# KiCad board raw.kicad_pcb (continued)
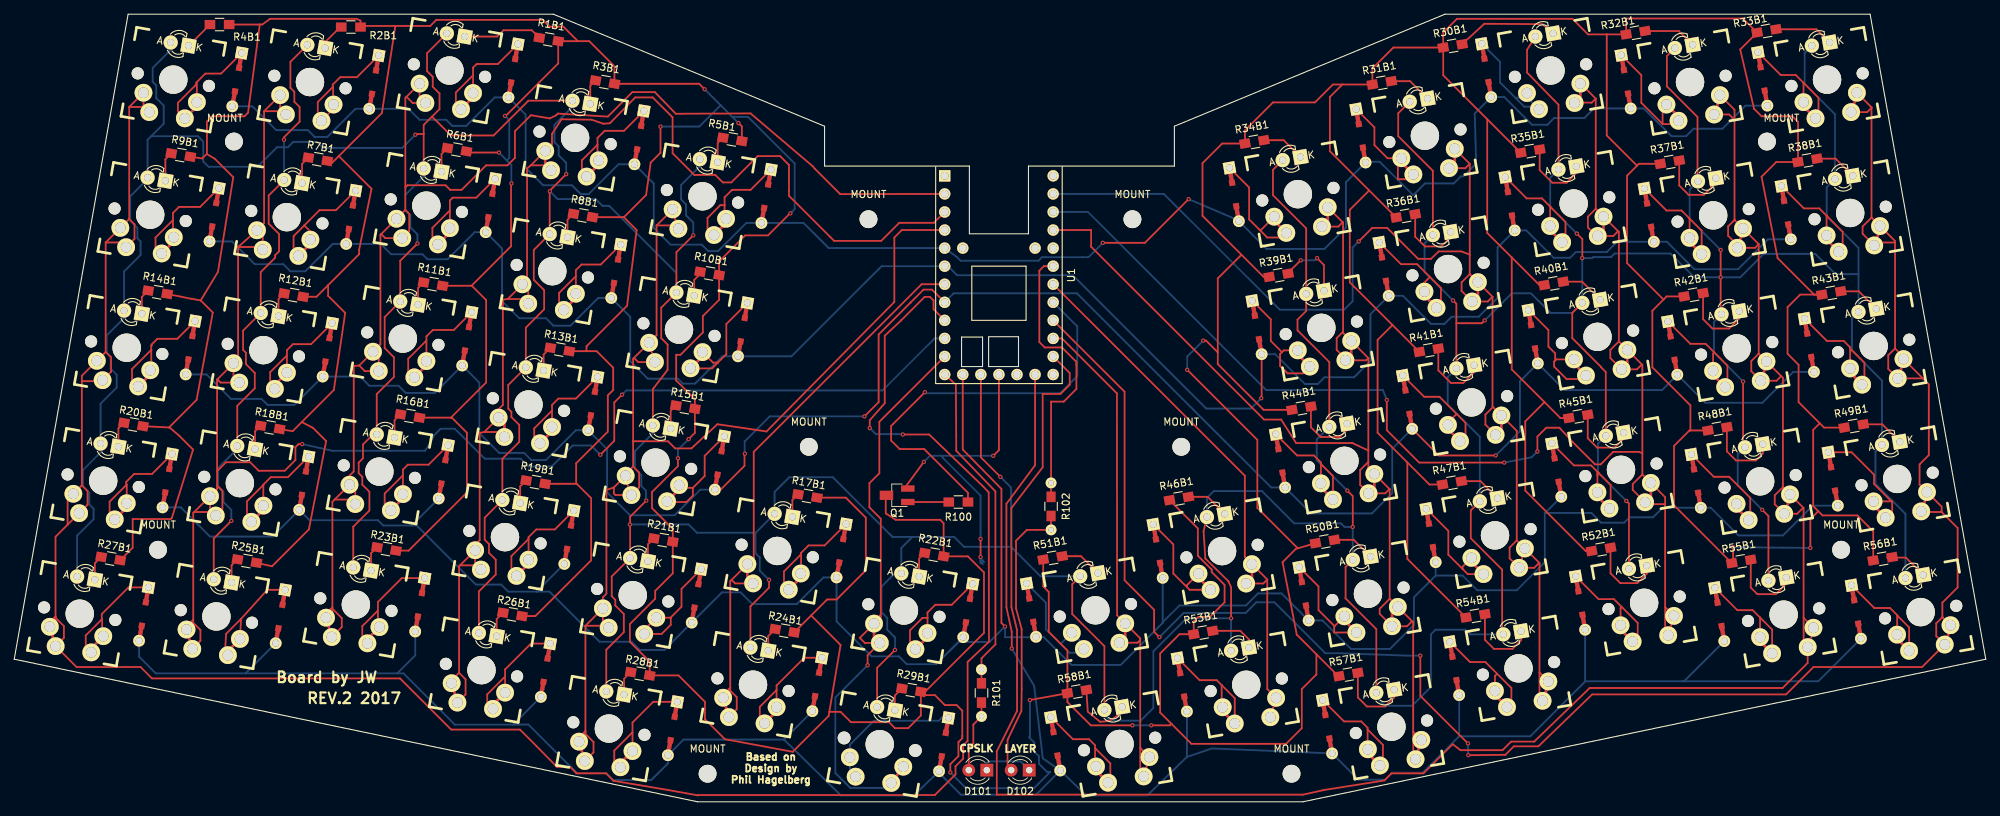
[diagram p0: board, top side]
## Routing (per net, layer and track width the routed paths; a pad name or vN(x,y) marks a point on that pad's centre or on a via; arc(x,y) is an arc through that point) (continued)
Net-(D11-Pad2): length 21.2
  Top w0.254: D11.2 61.76,66.35 58.82,66.35 57.91,65.44 57.91,64.86 ; 57.91,64.86 55.35,62.3 55.35,60.56 SW_11.SW2 55.81,59.69 ; 57.91,64.86 SW_11.SW2
  Top w0.381: SW_11.SW2 57.91,61.38 SW_11.SW2
Net-(D12-Pad2): length 22.4
  Top w0.254: D12.2 41.71,64.35 39.15,64.35 38.31,63.51 38.31,62.76 ; 36.62,58.66 SW_12.SW2 ; 36.62,58.66 SW_12.SW2 ; 36.62,58.66 SW_12.SW2 35.95,58.74 35.95,60.4 38.31,62.76 ; SW_12.SW2 38.31,62.76
Net-(D13-Pad2): length 20.4
  Top w0.254: D13.2 78.91,56.7 76.45,56.7 75.56,55.81 75.56,55.01 ; 75.56,55.01 73.05,52.5 73.05,51.24 SW_13.SW2 73.58,50.42 ; 75.56,55.01 SW_13.SW2
  Top w0.381: SW_13.SW2 75.56,52.11 SW_13.SW2
Net-(D14-Pad2): length 22
  Top w0.254: 19.25,63.6 19.25,60.83 SW_14.SW2 19.9,59.9 ; 19.25,63.6 19.25,63.55 16.55,60.85 16.55,59.28 SW_14.SW2 ; 19.25,63.6 19.25,64.15 19.3,64.15 19.3,64.3 20.1,65.1 22.91,65.1 D14.2
  Top w0.381: SW_14.SW2 19.11,60.1 SW_14.SW2
Net-(D15-Pad2): length 20.4
  Top w0.254: D15.2 97.01,48.65 97.01,45.81 95.35,44.15 ; 90.9,43 91.65,42.25 SW_15.SW2 91.82,42.15 94.45,42.15 95.35,43.05 95.35,44.15 ; 95.35,44.15 93.79,44.15 SW_15.SW2
  Top w0.381: SW_15.SW2 93.41,43.94 SW_15.SW2
Net-(D16-Pad1): length 357.9
  Top w0.254: v1(139.2,24.65) 138.7,25.15 138.7,44 133.27,49.53 133.27,60.53
  Bottom w0.254: 55.84,38.85 51.85,38.85 51.1,39.6 41.49,39.6 D18.1 36.29,37.3 27.5,37.3 23.4,41.4 D20.1 ; 55.84,38.85 D16.1 ; 55.84,38.85 56.55,38.85 64.85,30.55 68.4,30.55 69.4,29.55 73.39,29.55 73.4,29.55 ; 73.4,29.55 D19.1 ; 73.4,29.55 75.2,29.55 82.25,22.5 86.75,22.5 87.9,21.35 91.34,21.35 D21.1 99.44,29.45 102.05,29.45 103.7,27.8 109.95,27.8 113.7,31.55 D17.1 115.54,25.36 120.45,20.45 124.3,20.45 125.4,19.35 129.55,19.35 131.35,21.16 ; 161.36,25.25 161.36,25.16 155.45,19.25 148.55,19.25 144.6,23.2 D51.1 143.51,23.14 139.2,23.14 v1(139.2,24.65) 137.02,22.47 132.67,22.47 131.35,21.16 ; 161.36,25.25 D46.1 ; 161.36,25.25 163.71,27.6 173.05,27.6 174.75,29.3 178.06,29.3 D50.1 183.8,25.5 187.8,21.5 193.3,21.5 196.65,24.85 196.65,28.75 199.71,31.81 ; 199.71,31.81 D47.1 ; 199.71,31.81 203.49,31.81 205.55,29.75 211.1,29.75 215.05,33.7 215.05,40.59 215.08,40.62 ; 215.08,40.62 D45.1 ; 215.08,40.62 221.58,40.62 222.95,39.25 226.2,39.25 226.95,40 230.25,40 231.6,41.35 D48.1 238.35,41.35 242.25,37.45 248.5,37.45 252.7,41.65 D49.1 ; 131.35,21.16 D22.1
Net-(D16-Pad2): length 21.1
  Top w0.254: D16.2 58.21,47.4 55.3,47.4 54.61,46.71 54.61,45.91 ; 54.61,45.91 52.05,43.35 52.05,41.86 SW_16.SW2 52.41,40.99 ; 54.61,45.91 SW_16.SW2
  Top w0.381: SW_16.SW2 54.61,42.68 SW_16.SW2
Net-(D17-Pad2): length 20.1
  Top w0.254: 110.55,34.8 110.55,32.15 SW_17.SW2 ; 110.55,34.8 108.15,32.4 108.15,30.5 SW_17.SW2 ; 110.55,34.8 110.55,35 111.6,36.05 113.86,36.05 D17.2
  Top w0.381: SW_17.SW2 110.51,31.52 SW_17.SW2
Net-(D18-Pad2): length 20.3
  Top w0.254: 35,44.55 35,41.66 SW_18.SW2 ; 35,44.55 32.7,42.25 32.7,39.99 SW_18.SW2 ; 35,44.55 35,44.6 36.05,45.65 38.46,45.65 D18.2
  Top w0.381: SW_18.SW2 35.01,41.06 SW_18.SW2
Net-(D19-Pad2): length 20.8
  Top w0.254: D19.2 75.96,38.3 73.35,38.3 72.26,37.21 72.26,36.96 ; 72.26,36.96 69.85,34.55 69.85,32.49 SW_19.SW2 70.33,31.77 ; 72.26,36.96 SW_19.SW2
  Top w0.381: SW_19.SW2 72.26,33.46 SW_19.SW2
Net-(D20-Pad2): length 21.3
  Top w0.254: 16.49,41.31 SW_20.SW2 15.81,44.61 15.73,44.52 ; 15.73,44.52 13.4,42.2 13.4,40.43 SW_20.SW2 ; 15.73,44.52 15.73,44.97 16.85,46.1 19.36,46.1 D20.2
  Top w0.381: SW_20.SW2 15.81,41.4 SW_20.SW2
Net-(D21-Pad2): length 19.6
  Top w0.254: 92.2,25.88 92.22,25.88 92.25,25.85 92.25,24.9 90.95,23.6 SW_21.SW2 ; 92.2,25.88 SW_21.SW2 88.52,24.19 SW_21.SW2 ; 92.2,25.88 93.75,27.43 93.75,29.94 D21.2 ; SW_21.SW2 88.52,23.78
  Top w0.381: 90.21,25.29 SW_21.SW2
Net-(D22-Pad2): length 20.1
  Top w0.254: D22.2 131.71,27.7 129.4,27.7 128.31,26.61 128.31,25.86 ; 128.31,25.86 127.61,25.86 125.85,24.1 125.85,22.22 SW_22.SW2 126.55,21.45 ; 128.31,25.86 SW_22.SW2
  Top w0.381: SW_22.SW2 128.31,23.14 SW_22.SW2
Net-(D23-Pad1): length 386.6
  Top w0.254: U1.17 143.43,47.33 139.4,41.9 139.4,27.35 140.15,23.9 v1(140.15,21.55)
  Bottom w0.254: 32.5,18.06 D25.1 ; 32.5,18.06 53.81,18.06 ; 32.5,18.06 19.89,18.06 17.54,20.41 D27.1 ; 53.81,18.06 56.34,20.59 D23.1 ; 53.81,18.06 54.69,18.06 61.9,10.85 70.09,10.85 70.1,10.85 ; 70.1,10.85 D26.1 ; 70.1,10.85 72.25,10.85 79.05,4.05 83.15,4.05 84.15,3.05 89.5,3.05 91.84,5.39 D28.1 94.04,8.75 108.14,8.75 ; 108.14,8.75 116.14,0.9 126.4,0.9 D29.1 ; 108.14,8.75 D24.1 ; 164.76,6.31 159.2,0.9 150.61,0.9 D58.1 ; 164.76,6.31 D53.1 ; 164.76,6.31 168.28,7.5 D57.1 188.86,3.1 192.65,3.1 193.65,4.1 197.9,4.1 203.01,9.21 ; 203.01,9.21 D54.1 ; 203.01,9.21 213.01,9.21 220.71,16.91 220.71,16.95 ; 220.71,16.95 D52.1 ; 220.71,16.95 234.45,16.95 ; D55.1 234.61,16.95 234.45,16.95 ; 234.45,16.95 253.46,16.95 D56.1 ; D58.1 144.52,6.1 143.3,16.3 v1(140.15,21.55) ; D58.1 143.56,1 133,1 129.94,4.06 D29.1 ; D29.1 130.04,4.4
Net-(D23-Pad2): length 21.8
  Top w0.254: 51.1,26.9 51.1,24.78 SW_23.SW2 ; 51.1,26.9 48.9,24.7 48.9,23.01 SW_23.SW2 ; 51.1,26.9 51.1,28.1 54.45,31.45 D23.2 ; SW_23.SW2 49.16,22.29 ; SW_23.SW2 48.95,22.96
  Top w0.381: SW_23.SW2 49.62,22.88 SW_23.SW2
Net-(D24-Pad2): length 19.9
  Top w0.254: 107.11,15.71 104.75,13.35 104.75,11.7 SW_24.SW2 ; 107.11,15.71 107.11,16.36 111,20.25 D24.2 ; 107.11,15.71 SW_24.SW2
  Top w0.381: SW_24.SW2 107.11,12.72 SW_24.SW2
Net-(D25-Pad2): length 20
  Top w0.254: 31.88,25.72 31.7,22.91 SW_25.SW2 ; 31.88,25.72 29.78,23.62 29.6,21.04 SW_25.SW2 ; 31.88,25.72 35.55,29.8 D25.2
  Top w0.381: SW_25.SW2 30.02,21.21 SW_25.SW2
Net-(D26-Pad2): length 20.4
  Top w0.254: 68.85,15.24 SW_26.SW2 68.96,17.61 ; 68.96,17.61 66.45,15.1 66.45,13.89 SW_26.SW2 67.45,13.25 ; 68.96,17.61 68.96,18.61 72.6,22.25 D26.2
  Top w0.381: SW_26.SW2 67.27,13.66 SW_26.SW2
Net-(D27-Pad2): length 20.6
  Top w0.254: 12.3,25.65 10.05,23.4 10.05,21.78 SW_27.SW2 11.01,21.2 ; 12.3,25.65 12.35,25.7 12.35,23.45 SW_27.SW2 ; 12.3,25.65 12.3,26.4 16.05,30.15 D27.2
  Top w0.381: SW_27.SW2 10.82,21.6 SW_27.SW2
Net-(D28-Pad2): length 20.8
  Top w0.254: 86.86,9.76 84.3,7.2 84.3,5.72 SW_28.SW2 ; 86.86,9.76 86.86,11.14 89.77,14.05 D28.2 ; 86.86,9.76 SW_28.SW2
  Top w0.381: SW_28.SW2 85.17,5.44 SW_28.SW2
Net-(D29-Pad2): length 20.3
  Bottom w0.254: 117.41,6.51 SW_29.SW2 ; SW_29.SW2 117.41,8.02 120.77,11.39 129.9,11.39 130.68,12.17 130.9,12.32 ; SW_29.SW2 117.41,4.34 SW_29.SW2
Net-(D30-Pad2): length 20.2
  Top w0.254: 214.23,97.44 214.65,97.86
  Top w0.381: 212.54,99.13 212.54,99.72
  Bottom w0.254: 210.9,99 212.15,97.75 214.01,97.75 214.23,97.98 SW_30.SW2 212.54,99.08 SW_30.SW2 211.87,99 210.9,99 ; 210.9,99 208.75,101.15 208.75,104.04 D30.2
Net-(D31-Pad2): length 19.9
  Top w0.254: D31.2 191.1,94.84 191.1,92.35 192.95,90.5 SW_31.SW2 194.4,90.01 194.4,87.55 195.91,87.55 SW_31.SW2 197.05,88.69
  Top w0.381: SW_31.SW2 194.89,89.91 SW_31.SW2
Net-(D32-Pad2): length 20.5
  Top w0.254: 231.6,95.3 233.36,95.3 SW_32.SW2 ; 231.6,95.3 231.6,97.51 SW_32.SW2 ; 231.6,95.3 228.6,98.3 228.6,102.19 D32.2
  Top w0.381: SW_32.SW2 233.83,96.36 SW_32.SW2
Net-(D33-Pad2): length 20
  Top w0.254: 251.4,101.1 253.5,99 253.5,96.53 SW_33.SW2 ; 251.4,101.1 251.4,101.12 251.39,101.11 SW_33.SW2 ; 251.4,101.1 250.3,102.2 248.19,102.2 D33.2
  Top w0.381: SW_33.SW2 251.39,97.8 SW_33.SW2
Net-(D34-Pad2): length 22
  Top w0.254: 174.95,80.45 176.05,79.35 178.08,79.35 SW_34.SW2 179.3,80.57 ; 174.95,80.45 175.21,80.45 SW_34.SW2 177.04,82.69 ; 174.95,80.45 173.5,81.9 173.5,86.39 D34.2
  Top w0.381: SW_34.SW2 177.04,81.69 SW_34.SW2
Net-(D35-Pad2): length 19.9
  Top w0.254: 215.85,83.65 217.95,81.55 217.95,79.16 SW_35.SW2 ; 215.85,83.65 215.79,83.71 SW_35.SW2 ; 215.85,83.65 214.65,84.85 212.49,84.85 D35.2
  Top w0.381: SW_35.SW2 215.79,80.38 SW_35.SW2
Net-(D36-Pad2): length 19.7
  Top w0.254: 198.9,73.8 200.45,72.25 200.45,70.09 SW_36.SW2 ; 198.9,73.8 198.14,73.04 SW_36.SW2 ; 198.9,73.8 197.1,75.6 194.84,75.6 D36.2
  Top w0.381: SW_36.SW2 198.14,71.16 SW_36.SW2
Net-(D37-Pad2): length 19.6
  Top w0.254: 235.3,82.1 237.08,80.32 SW_37.SW2 ; 235.3,82.1 235.3,82.05 235.39,81.96 SW_37.SW2 ; 235.3,82.1 234.25,83.15 232.14,83.15 D37.2
  Top w0.381: SW_37.SW2 235.39,78.71 SW_37.SW2
Net-(D38-Pad2): length 20.2
  Top w0.254: 254.7,82.35 256.9,80.15 256.9,77.93 SW_38.SW2 ; 254.7,82.35 254.7,82.45 254.68,82.45 254.64,82.41 SW_38.SW2 ; 254.7,82.35 253.6,83.45 251.44,83.45 D38.2
  Top w0.381: SW_38.SW2 254.64,79.05 SW_38.SW2
Net-(D39-Pad2): length 22.2
  Top w0.254: 178.12,63.22 177.85,62.95 177.85,61.3 178.9,60.25 181.08,60.25 SW_39.SW2 182.65,61.82 ; 178.12,63.22 178.38,63.48 SW_39.SW2 ; 178.12,63.22 176.55,64.8 176.55,67.84 D39.2
  Top w0.381: SW_39.SW2 180.34,62.89 SW_39.SW2
Net-(D40-Pad2): length 21.1
  Top w0.254: 216.5,62.05 216.35,61.9 216.35,61.2 218.1,59.45 220.34,59.45 SW_40.SW2 221.15,60.26 ; 216.5,62.05 216.67,62.22 SW_40.SW2 ; 216.5,62.05 216.5,63.05 215.55,64 215.55,66.34 D40.2
  Top w0.381: SW_40.SW2 219.14,61.63 SW_40.SW2
Net-(D41-Pad2): length 19.6
  Top w0.254: 202.75,54.45 203.9,53.3 203.9,51.49 SW_41.SW2 ; 202.75,54.45 202.65,54.55 201.44,53.34 SW_41.SW2 ; 202.75,54.45 200.25,56.95 198.09,56.95 D41.2
  Top w0.381: SW_41.SW2 201.44,52.41 SW_41.SW2
Net-(D42-Pad2): length 19.7
  Top w0.254: 238.85,63.2 240.7,61.35 240.7,58.64 SW_42.SW2 ; 238.85,63.2 238.69,63.04 SW_42.SW2 ; 238.85,63.2 237.65,64.4 235.49,64.4 D42.2
  Top w0.381: SW_42.SW2 238.69,60.01 SW_42.SW2
Net-(D43-Pad2): length 21.7
  Top w0.254: 258.45,61.45 SW_43.SW2 257.94,63.76 ; D43.2 254.69,64.8 257.05,64.8 257.94,63.91 257.94,63.76 ; 257.94,63.76 259.95,61.75 259.95,58.98 SW_43.SW2 260.25,59.28
  Top w0.381: SW_43.SW2 257.94,60.35 SW_43.SW2
Net-(D44-Pad2): length 19.7
  Top w0.254: D44.2 180.24,48.7 182.6,48.7 183.59,47.71 183.59,47.6 ; 183.59,47.6 183.59,47.51 185.28,45.82 SW_44.SW2 ; 183.59,47.6 SW_44.SW2
  Top w0.381: SW_44.SW2 183.59,44.19 SW_44.SW2
Net-(D45-Pad2): length 20.4
  Top w0.254: 222.6,46.25 224.3,44.55 224.3,41.41 SW_45.SW2 ; 222.6,46.25 222.44,46.09 222.44,45.9 ; 222.6,46.25 222.45,46.4 ; D45.2 219.14,47.3 221.55,47.3 222.45,46.4 ; 222.45,46.4 222.44,46.41 222.44,45.9 ; 222.44,45.9 SW_45.SW2
  Top w0.381: SW_45.SW2 222.44,42.93 SW_45.SW2
Net-(D46-Pad2): length 20.4
  Top w0.254: 164.78,30.17 162.85,32.1 162.85,36.19 D46.2 ; 164.78,30.17 165.14,29.81 SW_46.SW2 168.5,30.23 ; 164.78,30.17 164.78,30.48 SW_46.SW2
  Top w0.381: SW_46.SW2 166.39,31.5 SW_46.SW2
Net-(D47-Pad2): length 19.7
  Top w0.254: D47.2 201.49,38.1 201.49,34.74 203.48,32.75 ; SW_47.SW2 203.48,33.04 203.48,32.75 ; 203.48,32.75 204.21,32.02 SW_47.SW2 207,32.59
  Top w0.381: SW_47.SW2 204.74,33.71 SW_47.SW2
Net-(D48-Pad2): length 17
  Top w0.254: D48.2 238.79,45.7 240.95,45.7 243.9,42.75 243.9,39.84 SW_48.SW2
  Top w0.381: SW_48.SW2 241.99,41.31 SW_48.SW2
Net-(D49-Pad2): length 20.8
  Top w0.254: 263.75,42.25 263.85,42.25 263.85,40.88 SW_49.SW2 ; 263.75,42.25 261.25,42.25 SW_49.SW2 ; 263.75,42.25 261.3,44.7 261.3,46 258.15,49.15 D49.2
  Top w0.381: SW_49.SW2 261.24,41.65 SW_49.SW2
Net-(D50-Pad2): length 20.4
  Top w0.254: 185.5,24.7 185.45,24.64 185.45,23.8 SW_50.SW2 189.35,24.57 ; 185.5,24.7 SW_50.SW2 ; 185.5,24.7 183.25,26.95 183.25,30.29 D50.2
  Top w0.381: SW_50.SW2 186.89,25.49 SW_50.SW2
Net-(D51-Pad2): length 20.9
  Top w0.254: SW_51.SW2 150.65,21.85
  Top w0.381: 148.59,23.18 SW_51.SW2
  Bottom w0.254: 146.95,22.25 148.25,20.95 149.75,20.95 SW_51.SW2 150.28,22.07 SW_51.SW2 147.07,22.25 146.95,22.25 ; 146.95,22.25 144.95,24.25 144.95,27.99 D51.2
Net-(D52-Pad2): length 20
  Top w0.254: 225.85,27.4 228.1,25.15 228.1,23.26 SW_52.SW2 ; 225.85,27.4 225.69,27.24 SW_52.SW2 ; 225.85,27.4 224.75,28.5 222.59,28.5 D52.2
  Top w0.381: SW_52.SW2 225.69,24.23 SW_52.SW2
Net-(D53-Pad2): length 20.5
  Top w0.254: 169.65,16.4 168.95,17.1 166.54,17.1 D53.2 ; 169.65,16.4 169.65,13.43 SW_53.SW2 ; 169.65,16.4 171.48,14.57 SW_53.SW2 171.8,11.33
  Top w0.381: SW_53.SW2 169.79,12.7 SW_53.SW2
Net-(D54-Pad2): length 19.8
  Top w0.254: 208.35,18 210.35,16 210.35,13.94 SW_54.SW2 ; 208.35,18 208.04,17.69 SW_54.SW2 ; 208.35,18 206.7,19.65 204.54,19.65 D54.2
  Top w0.381: SW_54.SW2 208.04,15.01 SW_54.SW2
Net-(D55-Pad2): length 19.6
  Top w0.254: 245.3,25.9 246.98,24.22 SW_55.SW2 ; 245.3,25.9 245.29,25.91 SW_55.SW2 ; 245.3,25.9 244.25,26.95 242.09,26.95 D55.2
  Top w0.381: SW_55.SW2 245.29,22.56 SW_55.SW2
Net-(D56-Pad2): length 20.7
  Top w0.254: 264.98,23.95 SW_56.SW2 264.55,23.52 264.55,26.2 264.57,26.17 ; 264.57,26.17 266.23,24.52 SW_56.SW2 266.6,21.6 ; 264.57,26.17 264.57,26.22 263.55,27.25 261.34,27.25 D56.2
  Top w0.381: SW_56.SW2 264.54,22.92 SW_56.SW2
Net-(D57-Pad2): length 20.1
  Top w0.254: 190.15,10.15 190.15,7.42 SW_57.SW2 ; 190.15,10.15 192.3,8 192.3,5.52 SW_57.SW2 ; 190.15,10.15 190.15,10.4 189.25,11.3 186.84,11.3 D57.2
  Top w0.381: SW_57.SW2 190.19,6.79 SW_57.SW2
Net-(D58-Pad2): length 19.8
  Top w0.254: 151.85,7.55 151.85,5.1 SW_58.SW2 ; 151.85,7.55 154,5.4 154,3 SW_58.SW2 ; 151.85,7.55 151.85,7.95 151,8.8 148.74,8.8 D58.2
  Top w0.381: SW_58.SW2 151.99,4.38 SW_58.SW2
Net-(D101-Pad1): length 7.6
  Bottom w0.254: D101.1 136.65,5.48 136.85,5.68 141.38,5.68 D102.1
Net-(D101-Pad2): length 10.2
  Top w0.254: D101.2 134.11,7.56 134.75,8.2 134.75,10.85 R101.2 R101.2
Net-(D102-Pad2): length 40.3
  Top w0.254: 139.56,4.45 139.56,8.71 141.5,12.75 141.55,15.85 141.55,24.25 140.75,27.2 140.75,36.71 142.28,38.24 R102.2 R102.2
Net-(Q1-Pad1): length 46.8
  Top w0.254: v1(137.55,48.65) 138.35,49.45 U1.15 ; v1(135.77,36.96) v1(135.77,34.42) ; 125.05,44.05 v1(127.8,47.8)
  Bottom w0.254: v1(127.8,47.8) 128.65,48.65 130.44,48.65 ; 130.44,48.65 v1(137.55,48.65) ; 130.44,48.65 130.44,48.39 135.77,43.06 v1(135.77,36.96) ; 136.28,33.73 135.77,34.23 v1(135.77,34.42) ; 136.09,33.66 135.77,33.98 v1(135.77,34.42) ; 136.09,33.41 135.77,33.73 v1(135.77,34.42) ; 135.77,33.53 v1(135.77,34.42)
Net-(Q1-Pad2): length 6.2
  Top w0.254: 125.05,42.15 R100.2
Net-(Q1-Pad3): length 1528.4
  Top w0.254: v1(97,100.2) 96.23,100.97 R3B1.1 84.33,103.42 80.78,106.97 79.18,106.97 ; v1(109.05,82.75) 109,82.75 105.9,79.65 102.7,79.65 99.03,75.98 R10B1.1 99.03,70.58 96.75,68.3 96.75,66 93.6,62.85 93,62.85 93,59.25 95.63,56.62 R15B1.1 95.63,51.88 v1(94.75,51) ; 79.18,106.97 77.15,109 75.2,109 74.25,109.95 59.3,109.95 58.45,109.1 53.55,109.1 ; 79.18,106.97 R1B1.1 76.43,103.83 69.05,96.45 v1(68.95,96.45) ; 45.6,90.8 44.67,89.87 R7B1.1 ; 45.6,90.8 50.2,86.2 48.46,77.65 48.46,77.01 44.1,72.65 ; 45.6,90.8 51.65,96.85 53.55,109.1 ; 53.55,109.1 48.65,109.1 48.65,109.85 48.1,110.1 35.95,110.1 34.86,109.31 34.49,109.31 34.5,109.3 ; 44.1,72.65 42.47,71.02 R12B1.1 ; 44.1,72.65 44.1,71.15 46.5,68.75 44.9,57.9 40.4,53.4 ; 40.4,53.4 39.12,52.12 R18B1.1 ; 40.4,53.4 41.98,52.57 43.83,50.72 41.4,38.3 36.22,33.12 R25B1.1 ; 34.5,109.3 R4B1.1 ; 34.5,109.3 32.85,96.9 32.35,96.4 27.82,96.4 27.07,95.65 27.07,91.09 ; R9B1.1 26.42,90.47 27.05,91.1 27.07,91.09 ; 26.2,70.5 28.62,74.52 30.78,87.82 28.18,90.42 27.07,91.09 ; 26.2,70.5 24.84,70.74 R14B1.1 ; 26.2,70.5 27.9,68.8 25.62,56.52 21.74,52.64 21.83,52.64 ; 21.83,52.64 R20B1.1 ; 21.83,52.64 23.19,51.46 25.12,49.52 22.15,39.93 21.98,39.76 16.64,39.76 16.64,35.73 R27B1.1 ; 61.35,54.02 61.48,54.02 63.6,51.9 63.6,43.5 55.42,35.32 R23B1.1 ; 61.35,54.02 R16B1.1 ; 61.35,54.02 66.3,58.97 66.3,70.55 64.28,72.57 64.25,72.57 ; 64.25,72.57 R11B1.1 ; 64.25,72.57 69.8,78.12 69.8,86.9 v1(69.85,86.95) ; v1(68.1,91.3) 63.7,91.3 R6B1.1 ; R17B1.1 116.83,42.77 119.65,39.95 119.65,32.55 115.55,28.45 114.21,28.45 111.96,26.19 ; 114.52,12.65 114.43,12.07 109.38,7.02 99.85,8.8 97.05,11.6 97.05,14.05 93.33,17.77 R28B1.1 89.28,19.72 86.5,22.5 86.5,25 90.05,28.55 90.05,29.65 92.53,32.13 R21B1.1 92.53,38.37 89.6,41.3 89.6,43.55 93.25,47.2 v1(93.25,48.3) ; 114.52,12.65 116.1,22.05 111.96,26.19 ; 114.52,12.65 116.1,12.65 117.55,11.2 122.9,11.2 123.75,10.35 125.6,10.35 127.38,12.13 R29B1.1 ; 111.96,26.19 R24B1.1 ; R29B1.1 127.85,15 129.35,15 130.75,13.6 132.4,13.6 133.2,12.8 133.2,9.28 ; R29B1.1 127.97,15.47 136.25,23.75 136.25,32.25 133.98,34.52 R22B1.1 130.58,39.17 130.1,39.65 123.85,39.65 122.45,40.55 122.45,43.2 ; R51B1.1 144.57,30.28 145.35,29.5 145.35,23.9 147.97,21.28 R58B1.1 ; v1(157.1,10.75) 151.25,10.75 147.97,14.03 R58B1.1 ; R53B1.1 163.72,23.57 161,20.85 161,12.55 162.6,10.95 ; R53B1.1 165.72,25.37 166.35,26 168,26 170.05,28.05 170.05,30.5 168.25,32.3 168.25,32.65 166.3,34.6 166.3,38.44 R46B1.1 ; R53B1.1 165.72,23.72 ; 186.6,100.87 185.27,100.87 182.75,98.35 176.85,98.35 172.92,94.42 R34B1.1 169.72,92.57 166.95,89.8 166.95,82.4 172.43,76.92 ; 186.6,100.87 R31B1.1 190.82,103.12 193.77,106.07 R30B1.1 ; 186.6,100.87 184.85,99.12 184.85,91.49 190.37,85.97 ; 253.68,53.22 250.7,56.2 250.7,61.45 249.15,63 249.15,69.55 250.92,71.32 R43B1.1 252.89,71.32 247.76,76.45 245.5,87.9 247.57,89.97 R38B1.1 250.62,95.6 249.82,96.4 245.5,96.4 244.45,97.45 242.5,105.8 R33B1.1 242.89,110.15 226.5,110.15 226.47,110.12 R32B1.1 223.75,107.92 ; 253.68,53.22 254.28,52.62 R49B1.1 ; 253.68,53.22 252.75,52.3 252.75,41.59 254.07,40.27 258.96,40.27 261.19,38.04 R56B1.1 ; R30B1.1 200.77,108.17 202.7,110.1 218.93,110.1 221.12,107.92 223.75,107.92 ; R30B1.1 200.77,102.17 206.95,95.99 ; 190.37,85.97 R36B1.1 ; 190.37,85.97 187.65,83.25 187.65,73.04 193.64,67.04 ; 193.64,67.04 R41B1.1 ; 193.64,67.04 191.55,64.95 191.55,51.9 195.73,47.72 ; 195.73,47.72 198.83,44.62 R47B1.1 ; 195.73,47.72 195.73,34.16 R54B1.1 ; R39B1.1 175.53,73.82 172.43,76.92 ; 172.43,76.92 169.1,73.6 169.1,63.2 ; 169.1,63.2 167.45,64.85 v1(167.05,64.85) ; 169.1,63.2 169.1,61.55 175.53,55.12 R44B1.1 ; 182.95,20.75 186.03,17.67 R57B1.1 ; 182.95,20.75 180.19,23.51 178.2,33.7 180.07,35.57 180.34,35.64 ; 182.95,20.75 182.95,17.9 180.9,15.85 180.9,10.35 178.7,8.15 165.4,8.15 162.6,10.95 ; 162.6,10.95 162.4,10.75 v1(159.75,10.75) ; 78.95,44.72 79.03,44.72 81.05,42.7 81.05,33.95 73.22,26.12 R26B1.1 ; 78.95,44.72 R19B1.1 ; 78.95,44.72 78.95,47.6 83.4,52.05 83.4,57.15 84.15,57.9 84.15,61.05 81.83,63.37 80.32,63.37 ; 80.32,63.37 80.4,63.45 80.4,64.05 86.1,69.75 87.45,80.4 85.65,82.2 ; 80.32,63.37 R13B1.1 ; 85.65,82.2 85.63,82.22 R8B1.1 ; 85.65,82.2 88.78,85.32 89.43,89.9 90.8,91.27 v1(90.8,94.95) ; v1(241.5,35.8) 241.5,33.75 R55B1.1 233.2,41.69 233.2,50.05 235.37,52.22 235.5,52.22 ; 235.5,52.22 R48B1.1 ; 235.5,52.22 235.5,55.75 230.15,61.1 230.15,69.05 231.73,70.62 ; 231.73,70.62 232.17,71.07 R42B1.1 ; 231.73,70.62 226.6,75.75 226.6,88.05 228,89.45 ; 228,89.45 228.27,89.72 R37B1.1 ; 228,89.45 223.75,93.7 223.75,107.92 ; 206.95,95.99 206.95,80 210.4,76.55 ; 206.95,95.99 R35B1.1 ; 210.4,76.55 214.28,72.67 R40B1.1 ; 210.4,76.55 210.4,60.8 215,56.2 ; 215,56.2 217.23,53.97 R45B1.1 ; 215,56.2 212.3,53.5 212.3,43.75 220.78,35.27 R52B1.1 ; v1(142.7,14.3) 142.72,14.32 R58B1.1 ; 180.34,35.64 174.65,41.33 174.65,50.9 v1(164.8,60.75) ; 180.34,35.64 R50B1.1 ; 133.2,9.28 133.2,9.2 ; 133.2,9.28 133.2,8.93 132.66,8.39 132.66,6.42 131.52,5.28 v1(131.52,4.13) ; v1(101.75,95.45) 102.23,94.97 R5B1.1 ; 253.37,40.77 252.36,39.76 v1(252.36,35.69)
  Bottom w0.254: v1(97,100.2) 99.25,97.95 ; 99.25,97.95 96.25,94.95 v1(90.8,94.95) ; 99.25,97.95 100.9,96.3 ; v1(109.05,82.75) 109.65,83.35 109.65,89.75 103.1,96.3 100.9,96.3 ; 100.9,96.3 v1(101.75,95.45) ; v1(69.85,86.95) 69.85,89.55 69.2,90.2 ; 69.2,90.2 v1(68.1,91.3) ; 69.2,90.2 69.55,90.55 69.55,95.85 v1(68.95,96.45) ; v1(157.1,10.75) v1(159.75,10.75) ; v1(252.36,35.69) v1(241.5,35.8) ; v1(164.8,60.75) 164.8,62.6 v1(167.05,64.85) ; v1(93.25,48.3) 93.25,49.5 v1(94.75,51) ; v1(142.7,14.3) 142.7,9.15 142.6,9.05 143.33,8.32 143.33,7.06 143.96,6.42 143.96,5.34 145.1,4.2 145.55,4.2 143.26,1.91 133.74,1.91 v1(131.52,4.13)
Net-(R1B1-Pad2): length 11.3
  Top w0.254: R1B1.2 72.7,108.5 68.75,108.5 67.86,107.61 SW_1.K
Net-(R2B1-Pad2): length 4
  Top w0.254: 45.95,109.1 43.68,106.83 SW_2.K
Net-(R3B1-Pad2): length 3.6
  Top w0.254: R3B1.2 80.93,100.7 SW_3.K
Net-(R4B1-Pad2): length 4.2
  Top w0.254: R4B1.2 24.53,106.33 SW_4.K
Net-(R5B1-Pad2): length 3.8
  Top w0.254: R5B1.2 98.83,92.65 SW_5.K
Net-(R6B1-Pad2): length 3.7
  Top w0.254: R6B1.2 60.03,91.1 SW_6.K
Net-(R7B1-Pad2): length 4
  Top w0.254: R7B1.2 40.43,89.7 SW_7.K
Net-(R8B1-Pad2): length 3.6
  Top w0.254: R8B1.2 77.73,81.85 SW_8.K
Net-(R9B1-Pad2): length 4.2
  Top w0.254: R9B1.2 21.23,90.35 SW_9.K
Net-(R10B1-Pad2): length 3.7
  Top w0.254: R10B1.2 96.37,74.22 95.53,73.38 SW_10.K
Net-(R11B1-Pad2): length 3.4
  Top w0.254: R11B1.2 56.73,72.25 SW_11.K
Net-(R12B1-Pad2): length 3.5
  Top w0.254: R12B1.2 37.13,70.7 SW_12.K
Net-(R13B1-Pad2): length 3.6
  Top w0.254: R13B1.2 74.38,62.9 SW_13.K
Net-(R14B1-Pad2): length 3.6
  Top w0.254: R14B1.2 17.93,71 SW_14.K
Net-(R15B1-Pad2): length 3.6
  Top w0.254: R15B1.2 92.23,55 SW_15.K
Net-(R16B1-Pad2): length 3.6
  Top w0.254: R16B1.2 53.43,53.65 SW_16.K
Net-(R17B1-Pad2): length 3.5
  Top w0.254: R17B1.2 109.33,42.45 SW_17.K
Net-(R18B1-Pad2): length 3.6
  Top w0.254: R18B1.2 33.83,52.1 SW_18.K
Net-(R19B1-Pad2): length 3.5
  Top w0.254: R19B1.2 71.08,44.35 SW_19.K
Net-(R20B1-Pad2): length 3.7
  Top w0.254: R20B1.2 14.63,52.5 SW_20.K
Net-(R21B1-Pad2): length 3.6
  Top w0.254: R21B1.2 89.03,36.2 SW_21.K
Net-(R22B1-Pad2): length 3.6
  Top w0.254: R22B1.2 127.13,34.2 SW_22.K
Net-(R23B1-Pad2): length 3.6
  Top w0.254: R23B1.2 50.13,34.95 SW_23.K
Net-(R24B1-Pad2): length 3.4
  Top w0.254: R24B1.2 105.93,23.3 SW_24.K
Net-(R25B1-Pad2): length 3.6
  Top w0.254: R25B1.2 30.53,33.25 SW_25.K
Net-(R26B1-Pad2): length 3.7
  Top w0.254: R26B1.2 67.78,25.7 SW_26.K
Net-(R27B1-Pad2): length 3.6
  Top w0.254: R27B1.2 11.33,33.55 SW_27.K
Net-(R28B1-Pad2): length 3.5
  Top w0.254: R28B1.2 85.68,17.3 SW_28.K
Net-(R29B1-Pad2): length 3.5
  Top w0.254: R29B1.2 123.73,14.95 SW_29.K
Net-(R30B1-Pad2): length 14.4
  Top w0.254: R30B1.2 206.55,109.4 214.7,109.35 SW_30.K
Net-(R31B1-Pad2): length 6.1
  Top w0.254: R31B1.2 196.12,101.33 SW_31.K
Net-(R32B1-Pad2): length 7.5
  Top w0.254: R32B1.2 233.87,108.38 SW_32.K
Net-(R33B1-Pad2): length 8.3
  Top w0.254: R33B1.2 253.21,108.63 SW_33.K
Net-(R34B1-Pad2): length 6.1
  Top w0.254: R34B1.2 178.35,93.03 SW_34.K
Net-(R35B1-Pad2): length 10.3
  Top w0.254: R35B1.2 214.33,88.82 216.1,87.05 218.1,87.05 219.47,88.42 SW_35.K
Net-(R36B1-Pad2): length 10
  Top w0.254: R36B1.2 196.83,79.47 198.2,78.1 200.5,78.1 201.82,79.42 SW_36.K
Net-(R37B1-Pad2): length 10.6
  Top w0.254: R37B1.2 233.93,86.67 235.25,85.35 237.4,85.35 239.07,87.02 SW_37.K
Net-(R38B1-Pad2): length 6
  Top w0.254: R38B1.2 255.91,90.43 SW_38.K
Net-(R39B1-Pad2): length 10
  Top w0.254: v1(183.05,76.45) 184.02,75.48 SW_39.K ; v1(180.75,76.15) 178.98,74.38 R39B1.2
  Bottom w0.254: v1(183.05,76.45) 182.75,76.15 v1(180.75,76.15)
Net-(R40B1-Pad2): length 6.2
  Top w0.254: R40B1.2 220.29,73.13 SW_40.K
Net-(R41B1-Pad2): length 10.4
  Top w0.254: R41B1.2 200.08,60.67 201.85,58.9 203.6,58.9 205.12,60.42 SW_41.K
Net-(R42B1-Pad2): length 10.9
  Top w0.254: R42B1.2 237.28,67.87 238.6,66.55 240.95,66.55 242.37,67.97 SW_42.K
Net-(R43B1-Pad2): length 6
  Top w0.254: R43B1.2 259.16,71.78 SW_43.K
Net-(R44B1-Pad2): length 9.8
  Top w0.254: R44B1.2 182.18,52.67 183.55,51.3 186.25,51.3 187.27,52.32 SW_44.K
Net-(R45B1-Pad2): length 10.3
  Top w0.254: R45B1.2 221.08,51.12 222.4,49.8 224.85,49.8 226.12,51.07 SW_45.K
Net-(R46B1-Pad2): length 6.1
  Top w0.254: R46B1.2 167.66,42.88 SW_46.K
Net-(R47B1-Pad2): length 6.1
  Top w0.254: R47B1.2 206.02,45.08 SW_47.K
Net-(R48B1-Pad2): length 10.7
  Top w0.254: R48B1.2 240.63,49.27 241.9,48 244.7,48 245.67,48.97 SW_48.K
Net-(R49B1-Pad2): length 6.2
  Top w0.254: R49B1.2 262.46,53.08 SW_49.K
Net-(R50B1-Pad2): length 6.7
  Top w0.254: R50B1.2 188.2,36.83 SW_50.K 190.57,33.82
Net-(R51B1-Pad2): length 6.1
  Top w0.254: R51B1.2 149.89,34.53 SW_51.K
  Bottom w0.254: SW_51.K 152.15,32.15
Net-(R52B1-Pad2): length 11
  Top w0.254: R52B1.2 224.28,32.12 225.65,30.75 228.05,30.75 229.37,32.07 SW_52.K
Net-(R53B1-Pad2): length 6.7
  Top w0.254: R53B1.2 172.27,24.03 173.47,22.83 SW_53.K
Net-(R54B1-Pad2): length 11
  Top w0.254: R54B1.2 206.63,22.77 207.9,21.5 210.5,21.5 211.72,22.72 SW_54.K
Net-(R55B1-Pad2): length 10.8
  Top w0.254: R55B1.2 243.98,30.12 244.9,29.2 247.5,29.2 248.97,30.67 SW_55.K
Net-(R56B1-Pad2): length 6.1
  Top w0.254: 263.13,34.33 265.78,34.33 SW_56.K
Net-(R57B1-Pad2): length 10.7
  Top w0.254: R57B1.2 188.78,14.67 190.05,13.4 192.6,13.4 193.87,14.67 SW_57.K
Net-(R58B1-Pad2): length 9.6
  Top w0.254: R58B1.2 150.83,12.67 152.55,11.25 153.85,11.35 155.67,12.57 SW_58.K
Net-(R100-Pad1): length 58.3
  Top w0.254: 145.97,70.08 U1.22 ; v1(127.95,57.6) 123.2,52.85 123.2,50.8 124.4,49.6 127.85,49.6 134,43.45 R100.1
  Bottom w0.254: v1(127.95,57.6) 128.1,57.45 146.95,57.45 149.35,59.85 149.35,66.86 U1.22
Net-(R101-Pad1): length 47.2
  Top w0.254: U1.12 132.3,58.66 132.35,49.36 137.85,43.65 137.86,22.14 135.9,20.18 R101.1 R101.1
Net-(R102-Pad1): length 40.7
  Top w0.254: 149.23,61.35 149.23,58.05 147.45,56.27 145.68,56.27 R102.1 ; 149.23,61.35 149.23,61.6 ; 149.23,61.35 149.23,61.86 147.2,63.89 144.79,63.89 144.03,64.65 144.03,74.68 144.66,75.32 U1.24 145.97,75.28 ; R102.1 R102.1 ; R102.1 145.42,45.09
Net-(SW_1-PadA): length 1278.5
  Top w0.254: v1(138.55,45.7) 135.81,48.44 U1.14 ; SW_18.A 31.33,55.68 33.8,58.15 33.8,60.3 32.55,61.55 32.55,63.15 32.15,63.55 32.15,66.25 SW_12.A 34.63,74.48 36.65,76.5 36.65,76.85 37.2,77.4 37.2,79.85 35.75,81.3 35.75,85.25 SW_7.A ; v1(30.5,39.5) 28.03,37.03 SW_25.A ; 58.7,96.35 59.75,97.4 59.75,99.6 58.8,100.55 58.8,101.95 58,102.75 58,105.27 SW_1.A ; 58.7,96.35 61.35,93.7 67.35,93.7 72.24,98.59 SW_3.A ; 58.7,96.35 57.53,95.18 57.53,93.9 ; 57.53,93.9 SW_6.A ; 57.53,93.9 56.45,93.9 v1(56.35,93.8) ; v1(56.65,78.5) 54.23,76.08 SW_11.A 52.05,68.17 52.05,63.8 53.35,62.5 53.35,59.75 50.93,57.33 SW_16.A 50.4,51.65 49,50.25 49,48.3 48.4,47.7 48.4,46.2 48.9,45.7 48.9,44.6 49.9,43.6 49.9,40.95 47.63,38.68 SW_23.A ; v1(77.55,88.25) 75.23,85.93 ; 75.23,85.93 SW_8.A 73,77.6 73,73.4 74.45,71.95 74.45,69.25 71.88,66.68 SW_13.A 69.4,58.6 69.4,55.3 69.85,54.85 69.85,54.1 70.95,53 70.95,50.6 68.58,48.23 SW_19.A 66.1,39.95 66.1,36.85 66.7,36.25 66.7,35 67.65,34.05 67.65,31.95 65.28,29.58 SW_26.A ; 75.23,85.93 75.23,85.87 v1(75.25,85.85) ; v1(95.4,79.65) 93.03,77.28 SW_10.A 90.9,69.49 90.9,65.2 91.8,64.3 91.8,60.75 89.73,58.03 SW_15.A ; v1(88.8,42.35) 86.53,40.08 86.53,39 ; 86.53,39 v1(86.5,39) ; 86.53,39 SW_21.A 83.95,31.69 83.95,28.9 84.45,28.4 84.45,27.6 85.65,26.4 85.65,23.85 83.18,21.38 SW_28.A ; v1(106.05,31.2) 106.05,30.1 103.43,27.48 SW_24.A ; v1(123.75,21.35) 121.23,18.83 SW_29.A ; SW_37.A 236.5,87.31 236.5,96.3 232.2,100.6 232.2,104.88 SW_32.A ; v1(239.75,77.6) v1(239.75,73.75) 239.75,68.66 SW_42.A ; v1(242.9,59.1) 242.9,50.11 SW_48.A ; v1(245.6,41.05) 246.47,40.18 SW_55.A ; SW_35.A 216.97,98.03 216.38,98.62 212.55,102.55 212.55,105.75 SW_30.A ; v1(219.55,79.9) 220.32,79.13 220.32,76.45 v1(220.3,76.45) ; SW_45.A 223.62,60.43 222.95,61.1 222.95,61.15 218.9,65.2 218.9,68.75 SW_40.A ; v1(226.5,42.3) 226.87,41.93 SW_52.A ; SW_36.A 199.32,88.73 194.45,93.6 194.45,96.83 SW_31.A ; v1(202.15,70.5) 202.62,70.03 202.62,67.3 ; 202.62,67.3 SW_41.A ; 202.62,67.3 206.2,67.3 v1(206.6,67.7) ; SW_54.A 209.05,23.71 209.05,32.65 204.65,37.05 204.65,40.98 SW_47.A ; v1(187.3,43.75) 188.07,42.98 188.07,38.67 v1(188.05,38.65) ; SW_57.A 191.37,24.28 187.05,28.6 187.05,33.01 SW_50.A ; SW_34.A 176.85,88.86 176.85,85.3 181.52,80.63 SW_39.A 181.52,69.02 180.3,67.8 180.3,66.3 184.77,61.83 SW_44.A ; SW_51.A 148.65,30.59 148.65,26.4 153.17,21.88 SW_58.A ; SW_46.A 167.1,38.02 167.35,34.2 170.6,31 170.6,30.95 170.97,30.18 v1(170.97,25.8) ; SW_50.A 187.73,34.03 ; SW_50.A 188.07,33.52 ; v1(37.9,93.1) 37.9,93.37 37.93,93.4 37.93,93.48 40.1,95.65 40.1,97.7 39.35,98.45 39.35,99.85 38.8,100.4 38.8,104.05 SW_2.A
  Bottom w0.254: v1(138.55,45.7) 140.05,44.2 140.05,35.85 ; 140.05,35.85 144.19,31.71 SW_51.A ; 140.05,35.85 133.45,35.85 132.05,37.25 126.2,37.25 ; 19.25,93.6 21,95.35 21,97.9 19.95,98.95 19.95,100.75 19.45,101.25 19.45,103.2 21.98,105.73 SW_4.A ; 19.25,93.6 18.73,93.08 SW_9.A 18.73,87.58 16.3,85.15 16.3,81.7 17.3,80.7 17.3,79.25 17.75,78.8 17.75,76.9 15.43,74.58 SW_14.A 15.43,68.03 13,65.6 13,63.15 13.55,62.6 13.55,60.9 14.4,60.05 14.4,58.25 12.13,55.98 SW_20.A 12.13,49.13 9.65,46.65 9.65,44.35 10.55,43.45 10.55,41.8 11.15,41.2 11.15,39.75 8.83,37.43 SW_27.A ; 19.25,93.6 25.79,93.6 26.55,92.84 26.55,90.05 27.31,89.29 34.17,89.29 36.93,92.05 37.9,92.05 ; v1(30.5,39.5) 30.5,41.05 29.4,42.15 29.4,43.5 28.65,44.25 28.65,46.95 31.33,49.63 SW_18.A ; v1(56.65,78.5) 56.65,79.8 55.65,80.8 55.65,82.5 54.9,83.25 54.9,85.3 57.53,87.93 SW_6.A ; v1(77.55,88.25) 77.55,89.85 76.5,90.9 76.5,92.15 75.9,92.75 75.9,95.2 78.43,97.73 SW_3.A ; v1(95.4,79.65) 95.4,81.45 94.4,82.45 94.4,84 93.7,84.7 93.7,86.75 96.33,89.38 SW_5.A ; v1(88.8,42.35) 88.75,42.4 88.75,43.75 88.1,44.4 88.1,45.95 87.2,46.85 87.2,49.3 89.73,51.83 SW_15.A ; v1(106.05,31.2) 104.75,32.5 104.75,34.35 104.15,34.95 104.15,37.81 104.17,37.83 ; v1(123.75,21.35) 123.75,23.1 122.65,24.2 122.65,25.85 121.85,26.65 121.85,30.25 123.72,32.12 SW_22.A 124.63,35.68 126.2,37.25 ; 259.12,74.2 259.12,77.88 254.65,82.35 254.65,86.42 SW_38.A 255.82,96.68 251.55,100.95 251.55,105.32 SW_33.A ; 259.12,74.2 255.9,74.2 253.05,77.05 245.8,77.05 242.5,73.75 v1(239.75,73.75) 236.05,73.75 232.7,77.1 224.85,77.1 224.35,76.6 221.85,76.6 221.7,76.45 v1(220.3,76.45) 220.3,70.18 SW_40.A 218.9,68.75 215.85,68.75 213.1,71.5 210.4,71.5 v1(206.6,67.7) ; 259.12,74.2 SW_43.A 258.2,67.97 258.2,63.45 262.42,59.23 SW_49.A 261.5,49.27 261.5,44.7 265.72,40.48 SW_56.A ; v1(239.75,77.6) 235.4,81.95 235.4,86.08 SW_37.A ; v1(242.9,59.1) 238.8,63.2 238.8,67.48 SW_42.A ; v1(245.6,41.05) 242.15,44.5 242.15,48.83 SW_48.A ; v1(219.55,79.9) 215.8,83.65 215.8,87.75 SW_35.A ; v1(226.5,42.3) 222.5,46.3 222.5,50.35 SW_45.A ; v1(202.15,70.5) 198.15,74.5 198.15,78.53 SW_36.A ; SW_47.A 205.92,51.33 201.4,55.85 201.4,59.73 SW_41.A ; v1(187.3,43.75) 183,48.05 183,50.96 SW_44.A ; 126.2,37.25 123.4,37.25 115,45.65 108.9,45.65 106.83,43.58 SW_17.A 104.17,37.83 ; 104.17,37.83 95.92,37.83 94.75,39 v1(86.5,39) ; v1(75.25,85.85) 76.35,84.75 81.7,84.75 82.65,83.8 83.6,83.8 93.03,74.37 SW_10.A ; v1(56.35,93.8) 54.5,91.95 43.4,91.95 42.55,92.8 39.2,92.8 38.45,92.05 37.9,92.05 ; SW_54.A 204.56,23.54 203.9,24.2 199.7,24.2 199.05,23.55 199.05,16.15 196.4,13.5 192.6,13.5 191.37,14.73 SW_57.A ; SW_53.A v1(170.97,25.8) 164.7,25.8 160.05,21.15 160.05,13.2 158.25,11.4 154,11.4 153.17,12.23 SW_58.A ; 37.9,92.05 37.9,87.47 SW_7.A 37.93,86.88 ; 37.9,92.05 v1(37.9,93.1) ; SW_50.A 188.07,38.63 v1(188.05,38.65) 186.9,38.65 186.4,39.15 179.85,39.15 175.3,43.7 168.55,43.7 167.57,42.72 SW_46.A
